# Altium PCB Ultra_CAP.PcbDoc (part 2 of 2)
Units mil, origin at the board's own origin, x right, y up, seen from the top; angles counter-clockwise.
Board outline 3000 x 3000 mil, 6 copper layers (Top Layer, GNDA, PWR, SIG, GNDB, Bottom Layer), stack 60.56 mil thick; 183 components, 111 nets, 622 pads, 357 vias.
Unrouted connection lines stored in the file: 2.
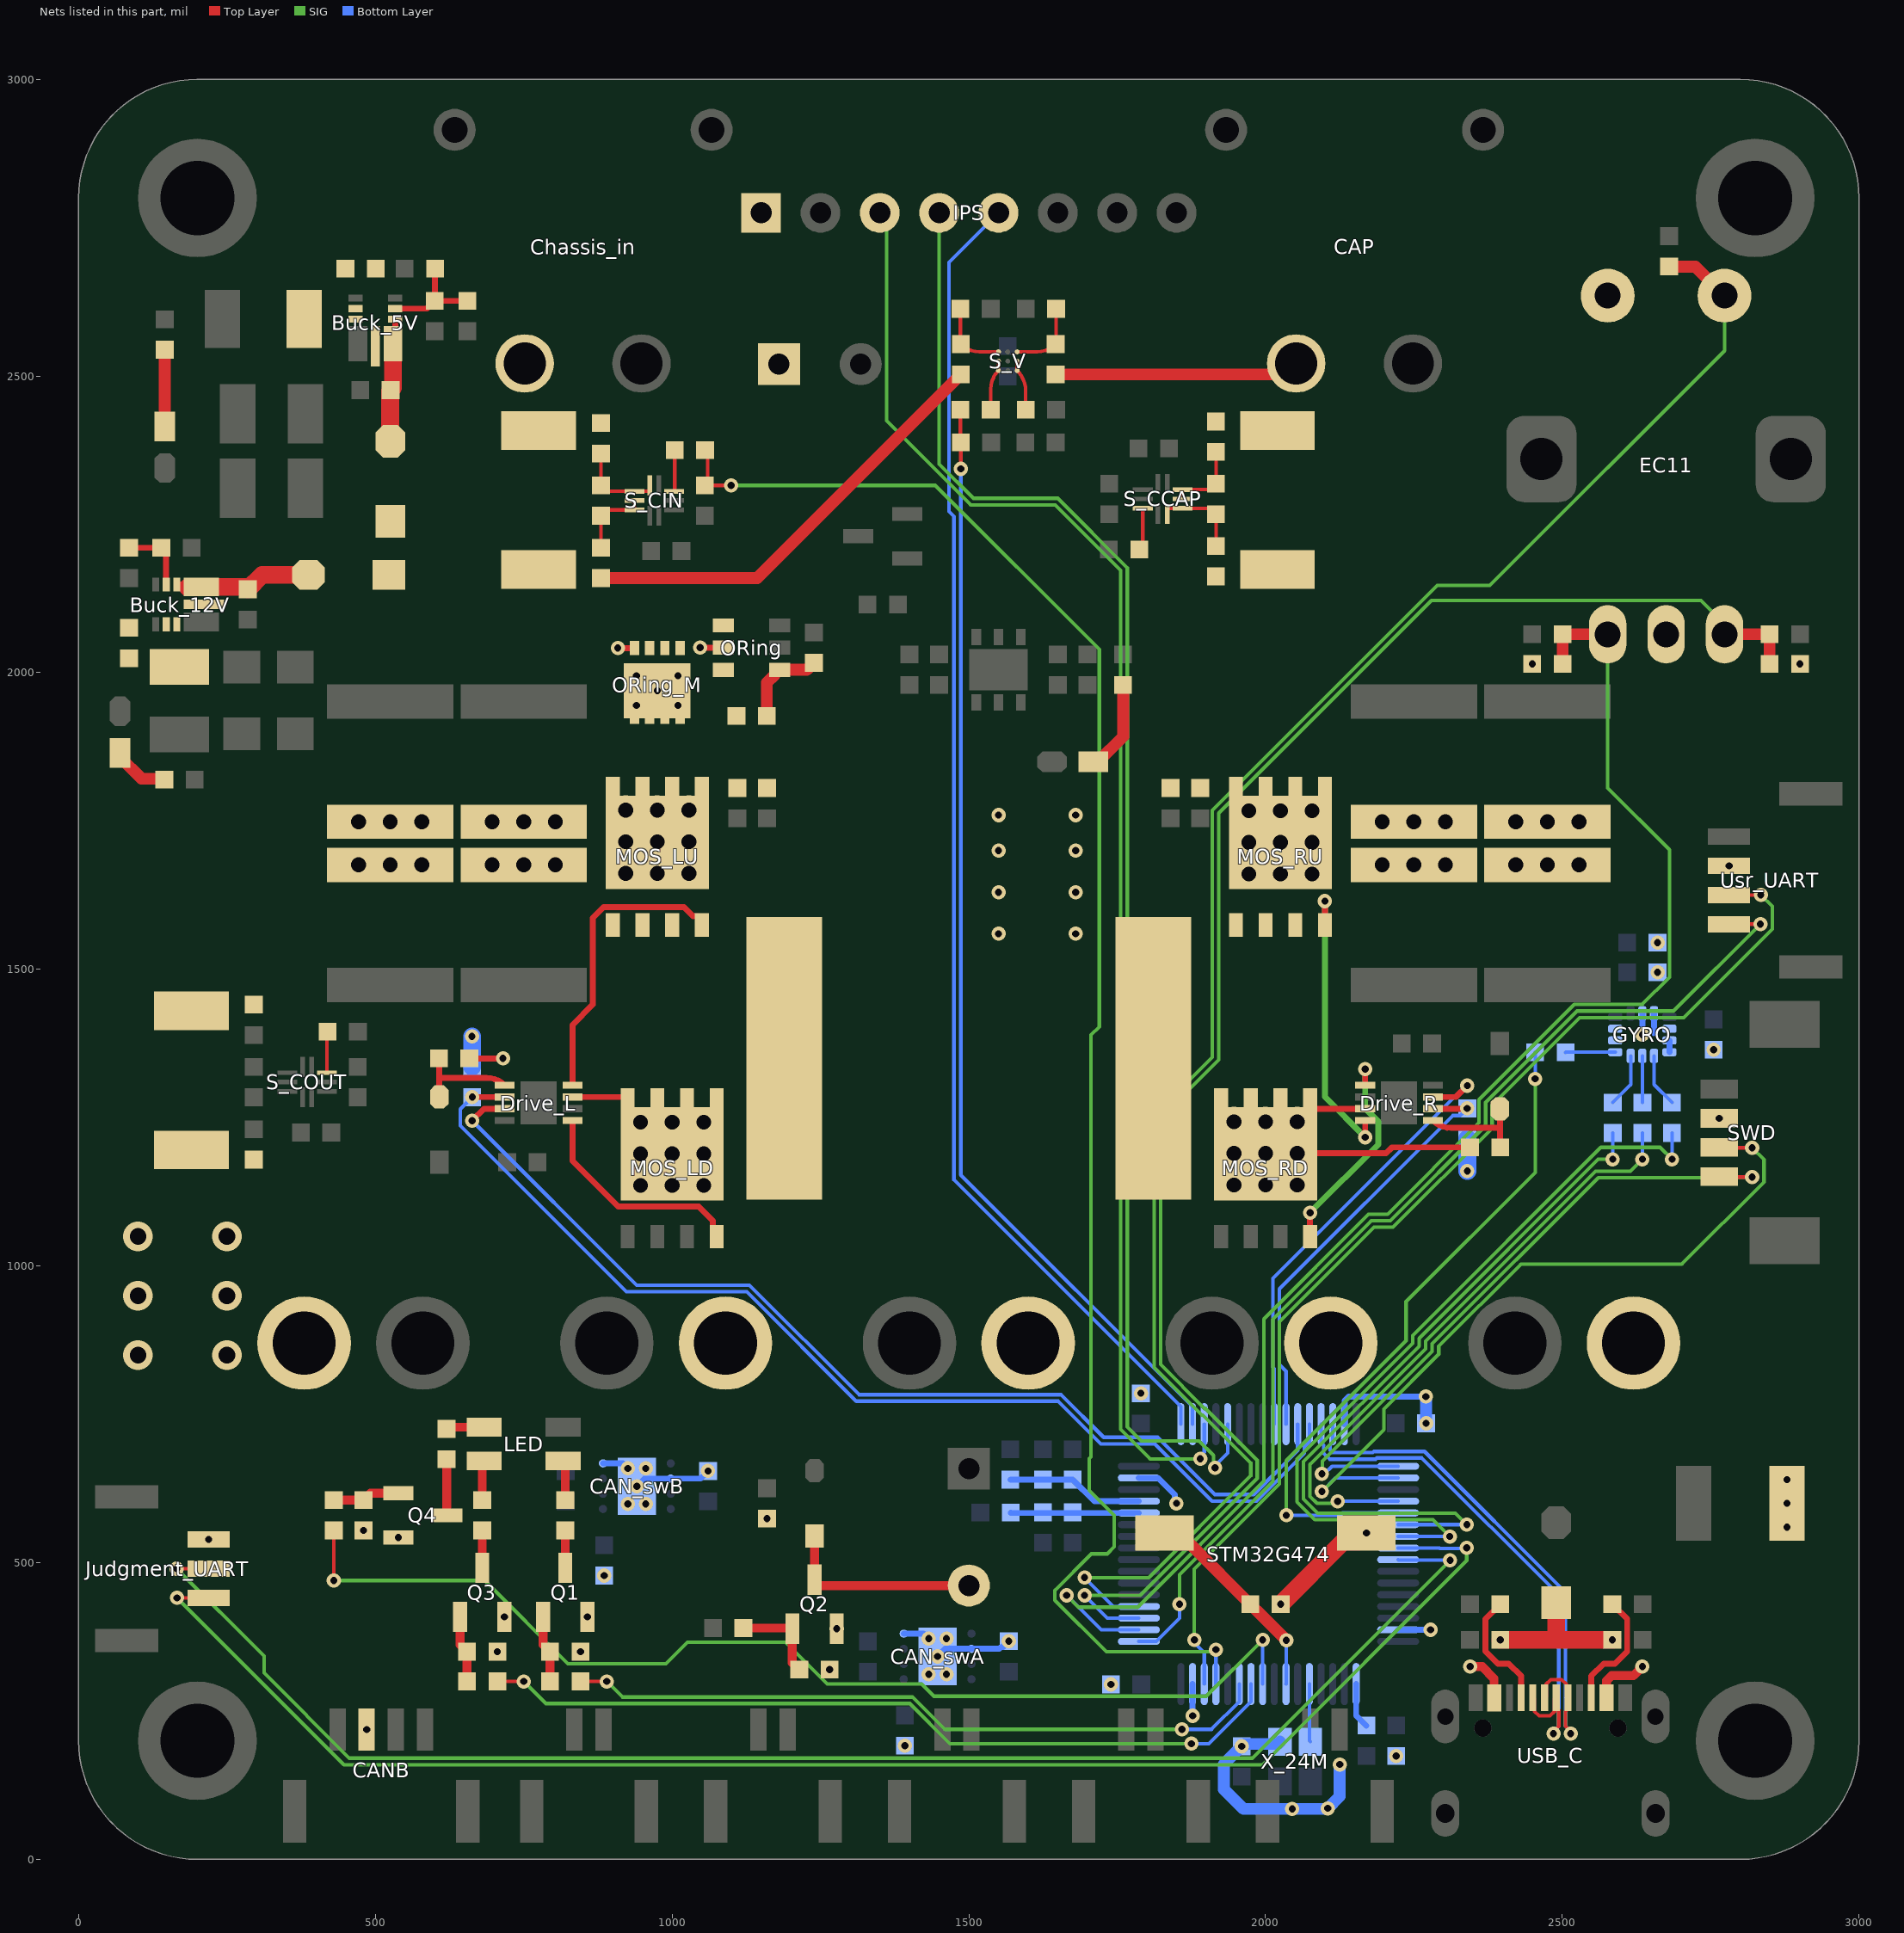
[diagram p6: the nets of this part, all layers, seen from the top]

## Via types
v1: diameter 24, hole 12, Top Layer to Bottom Layer, tented both sides, 234 vias
v2: diameter 50, hole 25, Top Layer to Bottom Layer, tented both sides, 117 vias
v3: diameter 50, hole 28, Top Layer to Bottom Layer, tented both sides, 6 vias

## Nets (pads, with @x,y where several pads share a name; then routed paths per layer and width w, separated by ;. In a path a pad name is that pad's centre, name@x,y a point inside that pad or via, vN(x,y) a via of type N, cw(c..) or ccw(c..) an arc to the next point about the centre after c; other vN are vias at no path point) (continued)
EC11_A: C63.2 EC11.A R44.2 STM32G474.18 | length 2539.1
  Top Layer w20: C63.2@2500.59,2015 R44.2@2500.59,2065 2500.8,2064.78 2576.36,2064.78 EC11.A@2576.57,2064.57
  SIG w6: v1(1665,445) 1685,425 1784.4,425 1997,637.6 1997,910.78 2173.61,1087.4 2205.68,1087.4 2359.85,1241.56 2359.85,1280.43 2520.23,1440.82 2634.7,1440.82 2680.59,1486.71 2680.59,1701.61 2576.57,1805.63 EC11.A@2576.57,2064.57
  Bottom Layer w6: v1(1665,445) 1722.95,387.05 STM32G474.18@1786.5,387.05
EC11_B: C64.2 EC11.B R48.1 STM32G474.19 | length 2871.2
  Top Layer w20: EC11.B@2773.43,2064.57 2773.64,2064.78 2849.19,2064.78 R48.1@2849.41,2065 C64.2@2849.41,2015
  SIG w6: v1(1695,445) 1788.84,445 1986,642.16 1986,672.84 1898.94,759.9 1897.43,759.9 1823.26,834.07 1823.26,1249.79 1921,1347.54 1921,1763.26 2279.53,2121.78 2733.93,2121.78 2773.43,2082.28 EC11.B@2773.43,2064.57
  Bottom Layer w6: v1(1695,445) 1733.43,406.57 1786.34,406.57 STM32G474.19@1786.5,406.73
EC11_K: EC11.1 R45.2 STM32G474.20 | length 3083.6
  Top Layer w20: R45.2@2680,2684.41 2724.45,2684.41 EC11.1@2773.43,2635.43
  SIG w6: v1(1695,475) 1803.28,475 1975,646.72 1975,668.28 1894.38,748.9 1892.88,748.9 1812.26,829.51 1812.26,1254.35 1910,1352.09 1910,1767.81 2289.27,2147.08 2377.98,2147.08 2773.43,2542.52 EC11.1@2773.43,2635.43
  Bottom Layer w6: v1(1695,475) 1743.58,426.42 STM32G474.20@1786.5,426.42
GYRO_CS: R46.1 STM32G474.55 | length 1350.9
  SIG w6: v1(2310.47,544.21) 2282.1,572.58 2083.02,572.58 2053,602.6 2053,674.77 2247.82,869.6 2247.82,882.72 2565.11,1200 2665,1200 v1(2685,1180)
  Bottom Layer w6: STM32G474.55@2223.5,544.53 2223.66,544.37 2310.31,544.37 v1(2310.47,544.21) ; v1(2685,1180) R46.1@2685,1224.41
IN_Cout: C32.1 R15.1 STM32G474.13 | length 2888.9
  Top Layer w6: C32.1@1055,2315.59 C32.1@1060,2315.59 ; R15.1@1060,2374.41 C32.1@1060,2315.59 ; v1(1099.41,2315.59) C32.1@1060,2315.59
  SIG w6: v1(1099.41,2315.59) 1443.28,2315.59 1720,2038.87 1720,1403.44 1706,1389.43 1706,678.34 1703,675.34 1703,622.03 1745,580.03 1745,526.72 1733.28,515 1706.72,515 1645,453.28 1645,436.72 1731.72,350 1907.96,350 1911.55,353.58 v1(1916.42,353.58)
  Bottom Layer w6: STM32G474.13@1916.42,295.5 v1(1916.42,353.58)
IN_Vout: C14.2 R10.1 STM32G474.34 | length 1871.7
  Top Layer w6: C14.2@1485.83,2388.74 R10.1@1485.83,2443.14 ; v1(1486.43,2343.57) C14.2@1486.43,2388.14
  Top Layer w10: C14.2@1485.83,2388.74 C14.2@1486.43,2388.14
  Bottom Layer w6: v1(1486.43,2343.57) 1486.43,1153.65 1877.05,763.03 STM32G474.34@1877.05,733.5
L_OD: Drive_L.3 STM32G474.43 | length 1790.5
  Top Layer w10: v1(663,1245) 683.16,1265.16 Drive_L.3@717.91,1265.16
  Bottom Layer w6: v1(663,1245) 940.26,967.74 1130.49,967.74 1314.97,783.26 1655.35,783.26 1727.2,711.41 1818.03,711.41 1914.44,615 1980.14,615 2054.21,689.07 STM32G474.43@2054.21,733.5
L_PWM: Drive_L.2 R17.1 STM32G474.44 | length 1881.4
  Top Layer w10: v1(663.29,1284.84) Drive_L.2@717.91,1284.84
  Bottom Layer w6: v1(663.29,1284.84) 643,1264.55 643,1236.72 922.98,956.74 1125.93,956.74 1310.41,772.26 1650.79,772.26 1722.64,700.41 1813.48,700.41 1909.88,604 1984.7,604 2065.21,684.51 2065.21,695.31 2073.9,703.99 STM32G474.44@2073.9,733.5
LPUART_RX: STM32G474.17 Usr_UART.1 | length 1826.7
  Top Layer w6: Usr_UART.1@2781.1,1576.18 v1(2833.82,1576.18)
  SIG w6: v1(1855,430) 1855,480.05 2012.26,637.31 2012.26,910.49 2178.17,1076.4 2210.24,1076.4 2370.85,1237.01 2370.85,1275.87 2524.79,1429.82 2687.46,1429.82 v1(2833.82,1576.18)
  Bottom Layer w6: STM32G474.17@1786.5,367.36 1816,367.36 1855,406.36 v1(1855,430)
LPUART_TX: STM32G474.14 Usr_UART.2 | length 1923.2
  Top Layer w6: Usr_UART.2@2781.1,1625.39 v1(2834.61,1625.39)
  SIG w6: v1(1880,370) 1880,489.49 2023.26,632.75 2023.26,905.93 2182.73,1065.4 2214.79,1065.4 2381.85,1232.45 2381.85,1271.32 2529.35,1418.82 2704.74,1418.82 2853.82,1567.9 2853.82,1606.18 v1(2834.61,1625.39)
  Bottom Layer w6: v1(1880,370) 1880,365.13 1896.73,348.4 STM32G474.14@1896.73,295.5
MISO: R50.1 STM32G474.53 | length 1143.8
  SIG w6: v1(2035,580) 2035,672.33 2236.82,874.15 2236.82,939.92 2454.41,1157.5 v1(2454.41,1315.59)
  Bottom Layer w6: v1(2035,580) 2126.12,580 2130.02,583.9 STM32G474.53@2223.5,583.9 ; v1(2454.41,1315.59) R50.1@2454.41,1360
MOSI: R49.1 STM32G474.54 | length 1256
  SIG w6: v1(2339.21,564.21) 2319.84,583.58 2087.58,583.58 2064,607.16 2064,670.22 2258.82,865.04 2258.82,878.16 2560.66,1180 v1(2585,1180)
  Bottom Layer w6: STM32G474.54@2223.5,564.21 v1(2339.21,564.21) ; v1(2585,1180) R49.1@2585,1224.41
NetBuck_5V_1: Buck_5V.1 Buck_5V.2 C4.2 D1.2 | length 209.4
  Top Layer w10: Buck_5V.1@529.53,2554.53 533.46,2558.46 Buck_5V.2@533.46,2595.87
  Top Layer w30: D1.2@525,2390 525,2475.51 C4.2@525.59,2476.1 529.53,2480.04 Buck_5V.1@529.53,2554.53
NetBuck_5V_3: Buck_5V.3 C3.1 R2.1 R4.2 | length 181.6
  Top Layer w10: Buck_5V.3@533.46,2613.58 586.88,2613.58 R2.1@600,2626.7 ; R4.2@600.59,2681.1 600.59,2627.29 R2.1@600,2626.7 ; C3.1@655,2626.7 R2.1@600,2626.7
NetBuck_5V_6: Buck_5V.6 C1.2
NetBuck_5V_7: Buck_5V.7 Buck_5V.9 C1.1 L1.1
NetBuck_12V_1: Buck_12V.1 Buck_12V.2 C12.2 D2.2 | length 238.5
  Top Layer w10: Buck_12V.2@165.24,2148.46 182.05,2148.46 182.87,2147.64 Buck_12V.1@182.87,2142.87
  Top Layer w30: Buck_12V.1@183.78,2143.78 205.83,2143.78 Buck_12V.1@206.57,2144.53 281.06,2144.53 C12.2@285,2140.59 309.42,2165 D2.2@387.5,2165
NetBuck_12V_3: Buck_12V.3 R5.1 R8.2 | length 119.9
  Top Layer w10: R8.2@85,2210.59 R5.1@139.41,2210.59 147.52,2202.47 Buck_12V.3@147.52,2148.46
NetBuck_12V_6: Buck_12V.6 C9.2
NetBuck_12V_7: Buck_12V.7 Buck_12V.9 C9.1 L2.1
NetC6_2: C6.2 ORing.1 R1.1 | length 152.7
  Top Layer w20: R1.1@1159.52,1927.22 1159.52,1983.16 1173.46,1997.09 1173.46,2003 1175.27,2004.81 ORing.1@1181.17,2004.81 1227.11,2004.81 C6.2@1238.93,2016.63
NetC34_1: C34.1 D4.2 Drive_L.1 | length 178.6
  Top Layer w10: C34.1@607.23,1349.96 607.82,1349.36 607.82,1317.22 ; D4.2@607.82,1285.08 607.82,1317.22 ; Drive_L.1@717.91,1304.53 ccw(c687.27,1273.88) 687.27,1317.22 607.82,1317.22
NetC34_2: C34.2 Drive_L.7 L3.1 MOS_LD.5 MOS_LD.6 MOS_LD.7 MOS_LD.8 MOS_LD.9 MOS_LU.1 MOS_LU.2 MOS_LU.3 | length 151.4
  Top Layer w10: C34.2@658.41,1349.96 v1(714.96,1349.96) ; Drive_L.7@832.09,1284.84 920.31,1284.84 MOS_LD.8@925,1280.16
  other v2: 946.72,1135.73 1000,1135.73 1053.28,1135.73 946.72,1189.01 1000,1189.01 1053.28,1189.01 946.72,1242.3 1000,1242.3 1053.28,1242.3
NetC35_1: C35.1 D3.2 Drive_R.1 | length 181.4
  Top Layer w10: Drive_R.1@2282.09,1245.47 ccw(c2312.83,1276.21) 2312.83,1232.74 2395,1232.74 ; D3.2@2395,1264.88 2395,1232.74 ; C35.1@2395.59,1200 2395,1200.6 2395,1232.74
NetC35_2: C35.2 Drive_R.7 L3.2 MOS_RD.5 MOS_RD.6 MOS_RD.7 MOS_RD.8 MOS_RD.9 MOS_RU.1 MOS_RU.2 MOS_RU.3 | length 419
  Top Layer w10: v2(2053.28,1190) 2203.11,1190 2213.11,1200 C35.2@2344.41,1200 ; v2(2053.28,1243.28) 2062.34,1243.28 2084.21,1265.16 Drive_R.7@2167.91,1265.16
  other v2: 1946.72,1136.72 2000,1136.72 2053.28,1136.72 1946.72,1190 2000,1190 1946.72,1243.28 2000,1243.28
NetC54_2: C54.2 C55.2 L4.2 STM32G474.29 | length 231.6
  Bottom Layer w10: L4.2@1570,640 C55.2@1625,640 C54.2@1675,640 1711.42,603.58 STM32G474.29@1786.5,603.58
NetC57_2: C57.2 STM32G474.1 | length 77.1
  Bottom Layer w10: STM32G474.1@2152.64,295.5 2152.64,242.95 C57.2@2170,225.59
NetC58_2: C58.2 C59.2 L5.1 STM32G474.28 | length 216.1
  Bottom Layer w10: L5.1@1570.6,584.41 1571.11,583.9 STM32G474.28@1786.5,583.9
NetC61_2: C61.2 C62.2 D6.1 USB_C.A4 USB_C.A9 USB_C.B4 USB_C.B9 | length 430.4
  Top Layer w15: v1(2345,325) 2365,325 2385,305 USB_C.A4@2385,260 ; USB_C.B4@2570.18,287.57 2574.49,291.88 2574.49,301.21 2583.28,310 2620,310 v1(2635,325)
  Top Layer w30: v1(2395.59,370) 2490,370 ; D6.1@2490,432.5 2490,370 ; v1(2584.41,370) 2490,370
NetChassis_in_2: Chassis_in.2 E1.1 R20.2 R23.2
NetChassis_outA_1: Chassis_outA.1 Chassis_outB.1 Chassis_outC.1 Chassis_outD.1 Chassis_outE.1 R26.2 R28.2
  other v3: 100,850 250,850 100,950 250,950 100,1050 250,1050
NetD5_1: D5.1 LS.2 Q2.3 | length 340.8
  Top Layer w15: D5.1@1240,544.88 Q2.3@1240,471.34 1240,465.89 1244.31,461.57 LS.2@1500,461.57
NetDrive_L_5: Drive_L.5 MOS_LD.4 | length 375.9
  Top Layer w10: Drive_L.5@832.09,1245.47 832.09,1177.24 909.05,1100.28 1045,1100.28 1068.86,1076.41 1068.86,1055.98 MOS_LD.4@1075,1049.84
NetDrive_L_8: Drive_L.8 MOS_LU.4 | length 504.8
  Top Layer w10: Drive_L.8@832.09,1304.53 832.09,1406.33 866.5,1440.74 866.5,1586.98 884.52,1605 1019.85,1605 1035.32,1589.53 1043.19,1589.53 1050,1582.72 MOS_LU.4@1050,1574.84
NetDrive_R_5: Drive_R.5 MOS_RD.4 | length 366.5
  Top Layer w10: MOS_RD.4@2075,1049.84 v1(2075,1090) ; Drive_R.5@2167.91,1304.53 v1(2167.91,1332.09)
  SIG w10: v1(2075,1090) 2189.91,1204.91 2189.91,1243.97 2167.91,1265.97 v1(2167.91,1332.09)
NetDrive_R_8: Drive_R.8 MOS_RU.4 | length 494.6
  Top Layer w10: MOS_RU.4@2100,1574.84 v1(2100,1615) ; v1(2167.91,1217.09) Drive_R.8@2167.91,1245.47
  SIG w10: v1(2100,1615) 2100,1285 v1(2167.91,1217.09)
NetGYRO_1: GYRO.1 R50.2 | length 83.9
  Bottom Layer w6: R50.2@2505.59,1360 2506.06,1360.47 GYRO.1@2589.33,1360.47
NetGYRO_12: GYRO.12 R46.2 | length 91.1
  Bottom Layer w6: GYRO.12@2654.68,1354.17 2654.68,1305.9 R46.2@2685,1275.59
NetGYRO_13: GYRO.13 R47.2 | length 78.6
  Bottom Layer w6: R47.2@2635,1275.59 GYRO.13@2635,1354.17
NetGYRO_14: GYRO.14 R49.2 | length 91.1
  Bottom Layer w6: R49.2@2585,1275.59 2615.32,1305.91 GYRO.14@2615.32,1354.17
NetLED_1: LED.1 R32.2 | length 64.7
  Top Layer w15: R32.2@620,725.59 622.96,728.54 LED.1@683.5,728.54
NetLED_2: LED.2 R31.2 | length 67.3
  Top Layer w15: R31.2@680,605.59 680,667.96 LED.2@683.5,671.46
NetLED_3: LED.3 R30.2 | length 67.3
  Top Layer w15: LED.3@816.5,671.46 820,667.95 R30.2@820,605.59
NetLED_3V3_1: LED_3V3.1 R7.1 | length 154.8
  Top Layer w20: LED_3V3.1@1710,1849.74 1717.5,1849.74 1760,1892.25 R7.1@1760,1979.41
NetLED_5V_1: LED_5V.1 R3.1 | length 129.5
  Top Layer w20: R3.1@145,2544.41 145,2415.25 LED_5V.1@145.26,2415
NetLED_12V_1: LED_12V.1 R6.1 | length 97.7
  Top Layer w20: LED_12V.1@69.74,1865 69.74,1857.5 105.87,1821.38 143.02,1821.38 R6.1@144.41,1820
NetORing_5: ORing.5 ORing_M.4 | length 67.6
  Top Layer w10: v1(908.46,2041.54) ORing_M.4@936.61,2041.54 ; v1(1047.21,2042.21) ORing.5@1086.68,2042.21
NetQ1_1: Q1.1 R33.1 R35.1 | length 113.6
  Top Layer w15: Q1.1@782.6,408.66 782.6,361.8 R35.1@794.41,350 R33.1@794.41,300
NetQ1_3: Q1.3 R30.1 | length 63.1
  Top Layer w15: Q1.3@820,491.34 R30.1@820,554.41
NetQ2_1: Q2.1 R36.1 R37.1 | length 156.7
  Top Layer w15: R36.1@1120,390 1201.26,390 Q2.1@1202.6,388.66 1202.6,331.8 R37.1@1214.41,320
NetQ3_1: Q3.1 R38.1 R39.1 | length 113.6
  Top Layer w15: Q3.1@642.6,408.66 642.6,361.8 R39.1@654.41,350 R38.1@654.41,300
NetQ3_3: Q3.3 R31.1 | length 63.1
  Top Layer w15: Q3.3@680,491.34 R31.1@680,554.41
NetQ4_1: Q4.1 R40.1 R41.1 | length 113.6
  Top Layer w15: R40.1@430,605.59 R41.1@480,605.59 491.8,617.4 Q4.1@538.66,617.4
NetQ4_3: Q4.3 R32.1 | length 95
  Top Layer w15: R32.1@620,674.41 620,581.34 Q4.3@621.34,580
NetR9_2: R9.2 S_V.A1 S_V.B1 | length 85.7
  Top Layer w6: S_V.B1@1581.5,2525 S_V.A1@1581.5,2509.25 cw(c1546.87,2474.63) 1595.84,2474.63 R9.2@1595.84,2443.15
NetR10_2: R10.2 S_V.A3 S_V.B3 | length 85.3
  Top Layer w6: R10.2@1537.01,2443.14 1537.01,2477.9 cw(c1581.35,2477.9) S_V.A3@1550,2509.25 S_V.B3@1550,2525
NetR11_2: R11.2 R13.2 S_V.C1 | length 128.1
  Top Layer w6: S_V.C1@1581.5,2540.75 1615.09,2540.75 ccw(c1615.09,2585.07) R11.2@1646.43,2553.73 1647.01,2554.31 R13.2@1647.01,2613.14
NetR12_2: R12.2 R14.2 S_V.C3 | length 126.7
  Top Layer w6: R14.2@1485.84,2613.15 1485.84,2554.32 R12.2@1486.43,2553.73 ccw(c1517.77,2585.07) 1517.77,2540.75 S_V.C3@1550,2540.75
NetR15_2: R15.2 S_CIN.10 | length 69.7
  Top Layer w6: S_CIN.10@1003.46,2305.75 1004.41,2306.68 R15.2@1004.41,2375
NetR16_2: R16.2 S_CCAP.10 | length 71.7
  Top Layer w6: R16.2@1787.16,2207.82 1793.11,2213.76 S_CCAP.10@1793.11,2277.07
NetR19_2: R19.2 S_COUT.10 | length 69.6
  Top Layer w6: S_COUT.10@418.46,1325.75 418.46,1394.06 R19.2@419.41,1395
NetR42_1: R42.1 USB_C.B5 | length 204
  Top Layer w10: USB_C.B5@2548.9,272.43 2548.9,309.16 2569.75,330.01 2588.56,330.01 2609.41,350.86 2609.41,404.99 R42.1@2584.41,430
NetR43_2: R43.2 USB_C.A5 | length 203.7
  Top Layer w10: R43.2@2395.59,430 2370.59,405 2370.59,350.85 2391.41,330.03 2409.97,330.03 2430.79,309.21 USB_C.A5@2430.79,272.45
NRST: C45.2 RST.1 STM32G474.7 | length 353.9
  Top Layer w20: RST.1@1830,550 1849.53,530.47 1873.94,530.47 C45.2@1974.41,430 1993.55,410.86 2005.27,399.11 ; 2005.3,399.11 v1(2035,369.42)
  Bottom Layer w6: STM32G474.7@2034.53,295.5 2035,295.97 v1(2035,369.42)
OSC_24M: STM32G474.5 X_24M.3 | length 97.7
  Bottom Layer w6: STM32G474.5@2073.9,295.5 2073.9,200.16 X_24M.3@2075.59,198.46
R_OD: Drive_R.3 STM32G474.41 | length 774.9
  Top Layer w10: Drive_R.3@2282.09,1284.84 2320.84,1284.84 v1(2340,1304)
  Bottom Layer w6: STM32G474.41@2014.84,733.5 2014.84,826.93 2012.26,829.51 2012.26,979.16 2337.1,1304 v1(2340,1304)
R_PWM: Drive_R.2 R18.1 STM32G474.42 | length 733.2
  Top Layer w10: Drive_R.2@2282.09,1265.16 v1@2339.84,1265.16
  Bottom Layer w6: STM32G474.42@2034.53,733.5 2034.53,822.8 2023.26,834.07 2023.26,961.54 2315.31,1253.59 2328,1253.59 2339.85,1265.44 v1(2339.85,1265.75)
REST: IPS.5 STM32G474.33 | length 2238
  Bottom Layer w6: IPS.5@1550,2775 1466.43,2691.43 1466.43,2271.86 1475,2263.28 1475,1145.39 1857.36,763.03 STM32G474.33@1857.36,733.5
RGB_B: R33.2 STM32G474.11 | length 1192.5
  Top Layer w6: R33.2@845.59,300 v1(890,300)
  SIG w6: v1(890,300) 916.33,273.66 1405.21,273.66 1459.6,219.27 v1(1859.09,219.27)
  Bottom Layer w6: v1(1859.09,219.27) 1909.07,219.27 1955.79,265.99 STM32G474.11@1955.79,295.5
RGB_G: R38.2 STM32G474.10 | length 1372.3
  Top Layer w6: R38.2@705.59,300 v1(750,300)
  SIG w6: v1(750,300) 787.33,262.66 1400.65,262.66 1468.29,195.02 v1(1875,195.02)
  Bottom Layer w6: v1(1875,195.02) 1904.51,195.02 1975.47,265.99 STM32G474.10@1975.47,295.5
RGB_R: R40.2 STM32G474.9 | length 1874.1
  Top Layer w6: v1(430,470) R40.2@430,554.41
  SIG w6: v1(430,470) 684.35,470 824.35,330 989.64,330 1025.83,366.18 1191.12,366.18 1261.64,295.66 1420.5,295.66 1441.16,275 1900.32,275 v1(1995.16,369.84)
  Bottom Layer w6: STM32G474.9@1995.16,295.5 1995.16,336.56 1995,336.72 1995,369.68 v1(1995.16,369.84)
SCL: IPS.3 STM32G474.35 | length 2517.7
  SIG w6: IPS.3@1350,2775 1361.23,2763.77 1361.23,2424.93 1503.27,2282.89 1645.39,2282.89 1755.98,2172.3 1755.98,724.58 1805.56,675 v1(1890,675)
  Bottom Layer w6: v1(1890,675) 1890,679.87 1896.73,686.6 STM32G474.35@1896.73,733.5
SCLK: R47.1 STM32G474.52 | length 1033.9
  SIG w6: v1(2121.42,603.58) 2117.97,600.14 2103.42,600.14 2103.28,600 2086.72,600 2075,611.72 2075,665.66 2269.82,860.48 2269.82,873.6 2556.22,1160 2615,1160 v1(2635,1180)
  Bottom Layer w6: v1(2121.42,603.58) STM32G474.52@2223.5,603.58 ; v1(2635,1180) R47.1@2635,1224.41
SDA: IPS.4 STM32G474.37 | length 2530
  SIG w6: IPS.4@1450,2775 1450,2351.72 1507.82,2293.89 1649.95,2293.89 1766.98,2176.86 1766.98,729.14 1790.69,705.43 1887.85,705.43 1912.28,681 1912.28,662.72 v1(1915,660)
  Bottom Layer w6: v1(1915,660) 1915,663.84 1936.1,684.94 STM32G474.37@1936.1,733.5
SGND: B.1 C45.1 C46.1 C47.1 C48.1 C49.1 C50.1 C51.1 C52.2 C53.1 C56.1 C60.1 C63.1 C64.1 C65.1 C66.1 C67.1 CAN_swA.2 CAN_swA.8 CAN_swA.9 CAN_swB.2 CAN_swB.8 CAN_swB.9 CANB.2 EC11.2 EC11.C GYRO.2 GYRO.3 GYRO.6 GYRO.7 GYRO.9 GYRO.10 GYRO.11 IPS.1 Judgment_UART.1 Q1.2 Q2.2 Q3.2 Q4.2 R17.2 R18.2 R35.2 R37.2 R39.2 R41.2 RST.2 STM32G474.15 STM32G474.31 STM32G474.47 STM32G474.63 SWD.3 Usr_UART.3 X_24M.2 | length 1585.8
  Top Layer w30: v1(2025.59,430) 2131.06,535.47 2155.47,535.47 v1(2170,550)
  Bottom Layer w10: CAN_swB.8@883.5,667.37 917.2,667.37 v1(925.59,658.99) ; v1(940.59,628.99) 953.38,641.78 CAN_swB.2@997.68,641.78 1047.79,641.78 v1(1060.59,654.58) ; CAN_swA.8@1390.29,380.46 1423.99,380.46 v1(1432.37,372.08) ; v1(1447.37,342.08) 1460.17,354.87 CAN_swA.2@1504.46,354.87 1551.52,354.87 1554.32,357.67 1557.38,357.67 v1(1567.38,367.67) ; STM32G474.31@1786.5,642.95 1786.84,642.61 1819.18,642.61 1822.61,639.17 1847.32,614.46 1847.32,602.68 v1(1850,600) ; v1(1877.05,242.05) STM32G474.15@1877.05,295.5 ; STM32G474.47@2132.95,733.5 2133.3,733.85 2133.3,773.3 2140,780 v1(2270,780) ; STM32G474.63@2223.5,387.05 v1(2277.95,387.05) ; v1(2635,1390) GYRO.6@2635,1425.83 ; 2654.68,1392.68 GYRO.7@2654.68,1425.83 ; GYRO.11@2680.67,1360.47 GYRO.10@2680.67,1380.16
  Bottom Layer w20: X_24M.2@2024.41,198.46 2020.47,194.53 1963.94,194.53 1940.86,171.45 1930,160.63 1930,118.2 1963.2,85 2102.84,85 2103.92,86.08 v1(2105,86.08) 2125,106.08 v1(2125,160) ; v1(2270,780) 2270.59,779.41 v1(2270.59,735)
  Bottom Layer w30: R17.2@662.82,1335.55 v1(662.82,1387.18) ; v1(2340,1160) R18.2@2340,1214.41
  other v1: 2045,85 2220,174.41 1392.37,191.48 1960,190.59 485.39,218.9 1739.41,295 1432.37,312.08 1462.37,312.08 1265.59,320 705.59,350 845.59,350 1462.37,372.08 1277.4,388.66 717.4,408.66 857.4,408.66 885.59,478.39 218.9,539.21 538.66,542.6 480,554.41 2878.74,560 1160,574.41 925.59,598.99 955.59,598.99 2878.74,600 2878.74,640 955.59,658.99 1790,785.59 2764.35,1249.06 2755,1364.41 2660.59,1495 2660.59,1545 1550,1560 1680,1560 1550,1630 1680,1630 2781.1,1674.61 1550,1700 1680,1700 1550,1760 1680,1760 2449.41,2015 2900.59,2015
SWCLK: STM32G474.50 SWD.2 | length 1248.7
  Top Layer w6: SWD.2@2764.35,1199.85 2764.98,1199.21 v1(2820,1199.21)
  SIG w6: v1(2095,620) 2199.41,724.41 2199.41,758.96 2291.82,851.37 2291.82,864.49 2430.43,1003.1 2701.39,1003.1 2840,1141.72 2840,1179.21 v1(2820,1199.21)
  Bottom Layer w6: v1(2095,620) 2117.95,642.95 STM32G474.50@2223.5,642.95
SWDIO: STM32G474.49 SWD.1 | length 1141.2
  Top Layer w6: SWD.1@2764.35,1150.64 2764.98,1150 v1(2820,1150)
  SIG w6: v1(2095,650) 2095.89,650.89 2095.89,671 2280.82,855.93 2280.82,869.05 2560.77,1149 2819,1149 v1(2820,1150)
  Bottom Layer w6: v1(2095,650) 2099.42,650 2112.06,662.64 STM32G474.49@2223.5,662.64
USART2_RX: Judgment_UART.2 STM32G474.57 | length 2574.8
  Top Layer w6: v1(165.01,489.99) Judgment_UART.2@218.9,489.99
  SIG w6: v1(165.01,489.99) 312.32,342.68 312.32,314.47 456.2,170.59 1977.59,170.59 v1(2311,504)
  Bottom Layer w6: STM32G474.57@2223.5,505.16 2224.08,504.58 2310.42,504.58 v1(2311,504)
USART2_TX: Judgment_UART.3 STM32G474.56 | length 2622.7
  Top Layer w6: v1(165.79,440.79) Judgment_UART.3@218.9,440.79
  SIG w6: v1(165.79,440.79) 446.98,159.59 1994.88,159.59 2339,503.72 v1(2339,525)
  Bottom Layer w6: STM32G474.56@2223.5,524.84 2292.89,524.84 2293.52,524.21 2338.21,524.21 v1(2339,525)
USB_N: STM32G474.45 USB_C.A7 USB_C.B7 | length 939.3
  Top Layer w6: USB_C.B7@2450.47,272.36 2453.37,269.46 2453.37,249.36 2460.94,241.8 2479.38,241.8 2486.93,249.35 2486.93,255.64 2486.93,269.46 USB_C.A7@2489.84,272.37 2489.84,269.46 2489.84,255.64 2494.21,251.27 2494.21,237.28 ; v1(2485.19,212) 2485.19,215.51 2494.19,224.51 2494.19,237.25
  Bottom Layer w6: STM32G474.45@2093.58,733.5 2093.58,702.4 2097.93,698.06 2097.93,684.51 2107.88,674.56 2185.43,674.56 2187.41,676.54 2263.46,676.54 2494.19,445.81 2494.19,224.51 2485.19,215.51 v1(2485.19,212)
USB_P: STM32G474.46 USB_C.A6 USB_C.B6 | length 939.3
  Top Layer w6: USB_C.A6@2470.16,272.43 2473.06,275.34 2473.06,295.46 2480.62,303.01 2499.06,303.01 2506.62,295.45 2506.62,275.34 USB_C.B6@2509.53,272.43 2506.62,269.53 2506.62,250.69 2505.21,249.28 2505.21,232.73 ; 2505.19,232.7 2505.19,224.51 2514.19,215.51 v1(2514.19,212)
  Bottom Layer w6: STM32G474.46@2113.27,733.5 2113.27,702.4 2108.93,698.06 2108.93,689.07 2112.44,685.56 2180.87,685.56 2182.86,687.54 2268.01,687.54 2505.19,450.37 2505.19,224.51 2514.19,215.51 v1(2514.19,212)
VCAP: CAP.2 R11.1 R21.2 R25.2 | length 412.9
  Top Layer w20: R11.1@1646.43,2502.55 2011.72,2502.55 2030.35,2521.18 CAP.2@2051.57,2521.18
VCAP_C+: C43.2 R24.1 S_CCAP.2 S_CCAP.3 | length 149
  Top Layer w6: S_CCAP.2@1834.45,2267.23 1834.45,2275.63 1835.89,2277.07 S_CCAP.3@1860.04,2277.07 1906.73,2277.07 C43.2@1916.57,2267.23 R24.1@1916.57,2213.41
VCAP_C-: C43.1 R25.1 S_CCAP.4 S_CCAP.5 | length 130.2
  Top Layer w6: S_CCAP.4@1860.04,2292.82 S_CCAP.5@1860.04,2308.57 1906.73,2308.57 C43.1@1916.57,2318.41 ; C43.1@1916.57,2318.41 R25.1@1916.58,2372.22
VCAP_Cin: C26.2 C27.2 C28.2 C29.2 C30.2 C31.2 MOS_RU.5 MOS_RU.6 MOS_RU.7 MOS_RU.8 MOS_RU.9 R21.1 R24.2
  other v2: 1971.72,1660.73 2025,1660.73 2078.28,1660.73 2196.72,1676.18 2250,1676.18 2303.28,1676.18 2421.72,1676.18 2475,1676.18 2528.28,1676.18 1971.72,1714.01 2025,1714.01 2078.28,1714.01 2196.72,1748.82 2250,1748.82 2303.28,1748.82 2421.72,1748.82 2475,1748.82 2528.28,1748.82 1971.72,1767.3 2025,1767.3 2078.28,1767.3
VIN: D1.1 D2.1 ORing.4 ORing_M.1 ORing_M.2 ORing_M.3 R12.1 R20.1 R22.2 | length 748.6
  Top Layer w20: R22.2@880,2159.41 1143.29,2159.41 R12.1@1486.43,2502.55
VIN_C+: C42.1 R23.1 S_CIN.2 S_CIN.3 | length 149.3
  Top Layer w6: R23.1@880,2369.41 C42.1@880,2315.59 889.84,2305.75 S_CIN.3@936.54,2305.75 961.19,2305.75 962.13,2306.68 S_CIN.2@962.13,2315.59
VIN_C-: C42.2 R22.1 S_CIN.4 S_CIN.5 | length 130.2
  Top Layer w6: R22.1@880,2210.59 C42.2@880,2264.41 889.84,2274.25 S_CIN.5@936.54,2274.25 S_CIN.4@936.54,2290
VIN_ORing: C20.2 C21.2 C22.2 C23.2 C24.2 C25.2 MOS_LU.5 MOS_LU.6 MOS_LU.7 MOS_LU.8 MOS_LU.9 ORing.6 ORing_M.5 ORing_M.6 ORing_M.7 ORing_M.8 ORing_M.9 R1.2 R26.1 R27.1
  other v1: 940,1945 1010,1945 975,1969.68 940,1995 1010,1995
  other v2: 921.72,1661.72 975,1661.72 1028.28,1661.72 471.72,1676.18 525,1676.18 578.28,1676.18 696.72,1676.18 750,1676.18 803.28,1676.18 921.72,1715 975,1715 1028.28,1715 471.72,1748.82 525,1748.82 578.28,1748.82 696.72,1748.82 750,1748.82 803.28,1748.82 921.72,1768.28 975,1768.28 1028.28,1768.28
pads on no net: 3V3_Power.3 3V3_Power.5 Buck_5V.5 Buck_12V.5 EC11.0 GYRO.4 M3A.1 M3B.1 M3C.1 M3D.1 S_CCAP.1 S_CCAP.7 S_CIN.1 S_CIN.7 S_COUT.1 S_COUT.7 STM32G474.2 STM32G474.3 STM32G474.4 STM32G474.6 STM32G474.12 STM32G474.22 STM32G474.23 STM32G474.25 STM32G474.26 STM32G474.30 STM32G474.51 STM32G474.60 USB_C. USB_C.A8 USB_C.B8

## Polygon pours and split planes (outlines as drawn)
AGND on Top Layer "NONET_L-01_P-001" (solid, remove dead copper, pour order 62): -100,3100 3100,3100 3100,-100 -100,-100
AGND on Top Layer "NONET_L-01_P-001" (solid, remove dead copper, pour order 63): -100,3100 3100,3100 3100,-100 -100,-100
SGND on Top Layer "NONET_L-01_P-001" (solid, remove dead copper, pour order 61): 1250,415 1250,305 1290,305 1290,415
SGND on Top Layer "NONET_L-01_P-001" (solid, remove dead copper, pour order 60): 565,570 465,570 465,530 565,530
SGND on Top Layer "NONET_L-01_P-001" (solid, remove dead copper, pour order 59): 830,435 830,335 870,335 870,435
SGND on Top Layer "NONET_L-01_P-001" (solid, remove dead copper, pour order 58): 690,435 690,335 730,335 730,435
AGND on Top Layer "NONET_L-01_P-001" (solid, remove dead copper, pour order 57): 1160,2095 1160,2030 1210,2030 1210,2050 1255,2050 1255,2095
AGND on Top Layer "NONET_L-01_P-001" (solid, remove dead copper, pour order 56): 987,2294 987,2189 1070,2189 1070,2294
AGND on Top Layer "NONET_L-01_P-001" (solid, remove dead copper, pour order 55): 1810,2288.82 1810,2393.82 1721.57,2393.82 1721.57,2288.82
AGND on Top Layer "NONET_L-01_P-001" (solid, remove dead copper, pour order 53): 402,1314 402,1209 485,1209 485,1314
12V on Top Layer "NONET_L-01_P-001" (solid, remove dead copper, pour order 52): 2265,1298 2265,1395 2411,1395 2411,1355 2299,1355 2299,1298
12V on Top Layer "NONET_L-01_P-001" (solid, remove dead copper, pour order 51): 701,1252 737,1252 737,1155 592,1155 592,1195 593,1194 701,1194
NetC61_2 on Top Layer "NONET_L-01_P-001" (solid, remove dead copper, pour order 50): 2376.02,294.84 2396.02,294.84 2396.02,249.84 2376.02,249.84
NetC61_2 on Top Layer "NONET_L-01_P-001" (solid, remove dead copper, pour order 49): 2565,295 2585,295 2585,250 2565,250
AGND on Top Layer "NONET_L-01_P-001" (solid, remove dead copper, pour order 48): 2620,249.81 2595,249.81 2595,294.81 2620,294.81
AGND on Top Layer "NONET_L-01_P-001" (solid, remove dead copper, pour order 47): 2340,295 2365,295 2365,250 2340,250
3V3_R on Top Layer "NONET_L-01_P-001" (solid, remove dead copper, pour order 45): 1365,2280 1365,2230 1480,2230 1480,2280
3V3 on Top Layer "NONET_L-01_P-001" (solid, remove dead copper, pour order 44): 1575,2075 1575,2045 1605,2045 1635,2015 1775,2015 1775,2075
5V on Top Layer "NONET_L-01_P-001" (solid, remove dead copper, pour order 43): 1365,2205 1365,2015 1480,2015 1480,2205
5V on Top Layer "NONET_L-01_P-001" (solid, remove dead copper, pour order 40): 130,2610 210,2610 210,2645 300,2645 300,2260 180,2260 180,2580 130,2580
5V on Top Layer "NONET_L-01_P-001" (solid, remove dead copper, pour order 39): 585,2595 670,2595 670,2560 585,2560
AGND on Top Layer "NONET_L-01_P-001" (solid, remove dead copper, pour order 38): 454,2584 454,2491 352,2491 352,2261 486,2261 486,2584
NetBuck_5V_7 on Top Layer "NONET_L-01_P-001" (solid, remove dead copper, pour order 37): 471,2601.1 450.9,2601.1 449,2603 449,2642 468,2661 468,2696 464,2700 436.5,2700 401.5,2664 354,2664 347,2657 347,2550 354,2543 442,2543 449,2550 449,2588 451,2590 470.9,2590 471,2590.1
12V on Top Layer "NONET_L-01_P-001" (solid, remove dead copper, pour order 34): 120,1930 120,1865 180,1865 180,1805 400,1805 400,1930
NetBuck_5V_7 on Top Layer "NONET_L-01_P-001" (solid, remove dead copper, pour order 33): 508,2516.1 492,2516.1 492,2588.1 490,2590.1 471,2590.1 471,2601.1 504,2601.1 508,2597.1
NetBuck_5V_6 on Top Layer "NONET_L-01_P-001" (solid, remove dead copper, pour order 32): 485,2696 485,2619.1 455,2619.1 455,2608.1 516,2608.1 516,2696
AGND on Top Layer "NONET_L-01_P-001" (solid, remove dead copper, pour order 30): 522,2626 565,2626 565,2696 522,2696
NetBuck_5V_3 on Top Layer "NONET_L-01_P-001" (solid, remove dead copper, pour order 29): 585,2696 585,2608 670,2608 670,2642 639,2642 616,2665 616,2696
AGND on Top Layer "NONET_L-01_P-001" (solid, remove dead copper, pour order 28): 136,2137 136,2175 70,2175 70,2137
NetBuck_12V_7 on Top Layer "NONET_L-01_P-001" (solid, remove dead copper, pour order 27): 160,2086 160,2066 149,2055 81,2055 66,2040 66,1990 76,1980 220,1980 230,1990 230,2038 213,2055 182,2055 171,2066 171,2086
NetBuck_12V_6 on Top Layer "NONET_L-01_P-001" (solid, remove dead copper, pour order 26): 70,2061 100,2061 100,2099 142,2099 142,2070 153,2070 153,2123 70,2123
NetBuck_12V_7 on Top Layer "NONET_L-01_P-001" (solid, remove dead copper, pour order 25): 245,2123 245,2107 173,2107 171,2105 171,2086 160,2086 160,2119 164,2123
AGND on Top Layer "NONET_L-01_P-001" (solid, remove dead copper, pour order 23): 177,2101 177,2070 244,2070 244,1982 396,1982 396,2101
AGND on Top Layer "NONET_L-01_P-001" (solid, remove dead copper, pour order 17): 2140,1563.82 2140,1438.82 2585,1438.82 2585,1563.82
AGND on Top Layer "NONET_L-01_P-001" (solid, remove dead copper, pour order 16): 2140,1980 2140,1855 2585,1855 2585,1980
AGND on Top Layer "NONET_L-01_P-001" (solid, remove dead copper, pour order 15): 415,1563.82 415,1438.82 860,1438.82 860,1563.82
AGND on Top Layer "NONET_L-01_P-001" (solid, remove dead copper, pour order 14): 415,1980 415,1855 860,1855 860,1980
NetChassis_outA_1 on Top Layer "NONET_L-01_P-001" (solid, remove dead copper, pour order 13): -45,1230 255,1230 255,1195 495,1195 495,770 -45,770
VIN_ORing on Top Layer "NONET_L-01_P-001" (solid, remove dead copper, pour order 12): -95,1790 -95,1395 255,1395 255,1425 390,1425 390,1580 850,1580 850,1790
VCAP_Cin on Top Layer "NONET_L-01_P-001" (solid, remove dead copper, pour order 11): 2105,1845 2585,1845 2585,1635 2105,1635
VCAP_Cin on Top Layer "NONET_L-01_P-001" (solid, remove dead copper, pour order 10): 1955,2205 1955,2180 1825,2180 1825,1790 1935,1790 1935,1635 2115,1635 2115,2205
VCAP on Top Layer "NONET_L-01_P-001" (solid, remove dead copper, pour order 9): 1900,2575 1900,2405 1955,2405 1955,2375 2105,2375 2105,2575
NetChassis_in_2 on Top Layer "NONET_L-01_P-001" (solid, remove dead copper, pour order 8): 700,2575 700,2375 840,2375 840,2405 1220,2405 1220,2575 1005,2575 1005,2465 890,2465 890,2575
NetBuck_12V_1 on Top Layer "NONET_L-01_P-001" (solid, remove dead copper, pour order 7): 159,2129 159,2160 230,2160 230,2129
NetBuck_5V_1 on Top Layer "NONET_L-01_P-001" (solid, remove dead copper, pour order 6): 514,2602 545,2602 545,2530 514,2530
VIN on Top Layer "NONET_L-01_P-001" (solid, remove dead copper, pour order 5): 495,2285 495,2060 1105,2060 1105,2175 840,2175 840,2285
VIN on Top Layer "NONET_L-01_P-001" (solid, remove dead copper, pour order 4): 950,2095 950,2030 1025,2030 1025,2065 1105,2065 1105,2095
VIN_ORing on Top Layer "NONET_L-01_P-001" (solid, remove dead copper, pour order 3): 915,2020 1125,2020 1125,1895 1175,1895 1175,1790 915,1790
VIN_ORing on Top Layer "NONET_L-01_P-001" (solid, remove dead copper, pour order 2): 1175,1845 1175,1790 1065,1790 1065,1635 415,1635 415,1845
NetC35_2 on Top Layer "NONET_L-01_P-001" (solid, remove dead copper, pour order 1): 2065,1595 1745,1595 1745,1110 2090,1110 2090,1530 2065,1555
NetC34_2 on Top Layer "NONET_L-01_P-001" (solid, remove dead copper, pour order 0): 885,1595 1015,1595 1015,1550 1120,1550 1120,1590 1255,1590 1255,1110 885,1110 885,1550
SGND on Bottom Layer "NONET_L-01_P-001" (solid, remove dead copper, pour order 64): -100,3100 3100,3100 3100,-100 -100,-100
SGND on Bottom Layer "NONET_L-01_P-001" (solid, remove dead copper, pour order 46): 2580,1407 2691,1407 2691,1373 2580,1373
SGND on SIG "NONET_L-01_P-001" (solid, remove dead copper, pour order 65): -200,3200 3200,3200 3200,-100 3100,-100 -200,-100
5V on PWR (split plane): 616.18,2360 616.47,2358.54 617.3,2357.3 618.54,2356.47 620,2356.18 1318.42,2356.18 1487.3,2187.3 1488.54,2186.47 1490,2186.18 2648.42,2186.18 2816.18,2018.42 2816.18,1741.58 2727.3,1652.7 2726.47,1651.46 2726.18,1650 2726.18,1390 2726.18,671.58 2598.42,543.82 2461.58,543.82 2402.7,602.7 2401.46,603.53 2400,603.82 1590,603.82 1588.54,603.53 1587.3,602.7 1586.47,601.46 1586.18,600 1586.18,590 1586.18,303.82 1553.82,303.82 1553.82,600 1553.53,601.46 1552.7,602.7 1551.46,603.53 1550,603.82 1510,603.82 1508.54,603.53 1507.3,602.7 1488.42,583.82 820,583.82 818.54,583.53 817.3,582.7 517.3,282.7 516.47,281.46 516.18,280 516.18,203.82 423.82,203.82 423.82,358.42 811.58,746.18 1448.42,746.18 1547.3,647.3 1548.54,646.47 1550,646.18 2570,646.18 2571.46,646.47 2572.7,647.3 2632.7,707.3 2633.53,708.54 2633.82,710 2633.82,1980 2633.53,1981.46 2632.7,1982.7 2602.7,2012.7 2601.46,2013.53 2600,2013.82 2493.82,2013.82 2493.82,2090 2493.53,2091.46 2492.7,2092.7 2491.46,2093.53 2490,2093.82 2410,2093.82 2408.54,2093.53 2407.3,2092.7 2406.47,2091.46 2406.18,2090 2406.18,2013.82 1733.82,2013.82 1733.82,2060 1733.53,2061.46 1732.7,2062.7 1731.46,2063.53 1730,2063.82 1620,2063.82 1618.54,2063.53 1617.3,2062.7 1616.47,2061.46 1616.18,2060 1616.18,2013.82 1271.58,2013.82 1162.7,2122.7 1002.7,2282.7 1001.46,2283.53 1000,2283.82 183.82,2283.82 183.82,2596.18 616.18,2596.18
3V3 on PWR (split plane): 200,2979.9 2800,2979.9 2800.71,2979.97 2811.77,2979.61 2823.49,2978.46 2835.12,2976.54 2846.59,2973.86 2857.86,2970.44 2868.88,2966.29 2879.61,2961.43 2890,2955.88 2900,2949.66 2909.57,2942.8 2918.68,2935.33 2927.28,2927.28 2935.33,2918.68 2942.8,2909.57 2949.66,2900 2955.88,2890 2961.43,2879.61 2966.29,2868.88 2970.44,2857.86 2973.86,2846.59 2976.54,2835.12 2978.46,2823.49 2979.61,2811.77 2979.97,2800.71 2979.9,2800 2979.9,200 2979.97,199.29 2979.61,188.23 2978.46,176.51 2976.54,164.88 2973.86,153.41 2970.44,142.14 2966.29,131.12 2961.43,120.39 2955.88,110 2949.66,100 2942.8,90.43 2935.33,81.32 2927.28,72.72 2918.68,64.67 2909.57,57.2 2900,50.34 2890,44.12 2879.61,38.57 2868.88,33.71 2857.86,29.56 2846.59,26.14 2835.12,23.46 2823.49,21.54 2811.77,20.39 2800.71,20.03 2800,20.1 200,20.1 199.29,20.03 188.23,20.39 176.51,21.54 164.88,23.46 153.41,26.14 142.14,29.56 131.12,33.71 120.39,38.57 110,44.12 100,50.34 90.43,57.2 81.32,64.67 72.72,72.72 64.67,81.32 57.2,90.43 50.34,100 44.12,110 38.57,120.39 33.71,131.12 29.56,142.14 26.14,153.41 23.46,164.88 21.54,176.51 20.39,188.23 20.03,199.29 20.1,200 20.1,2800 20.03,2800.71 20.39,2811.77 21.54,2823.49 23.46,2835.12 26.14,2846.59 29.56,2857.86 33.7,2868.88 38.57,2879.61 44.12,2890 50.34,2900 57.2,2909.57 64.67,2918.68 72.72,2927.28 81.32,2935.33 90.42,2942.8 100,2949.66 110,2955.88 120.39,2961.43 131.12,2966.29 142.14,2970.44 153.41,2973.86 164.88,2976.54 176.51,2978.46 188.23,2979.61 199.29,2979.97
3V3_R on PWR (split plane): 706.18,2590 706.18,2450 706.47,2448.54 707.3,2447.3 708.54,2446.47 710,2446.18 1210,2446.18 1211.46,2446.47 1212.7,2447.3 1213.53,2448.54 1213.82,2450 1213.82,2506.18 1738.42,2506.18 1856.18,2388.42 1856.18,2193.82 1491.58,2193.82 1322.7,2362.7 1321.46,2363.53 1320,2363.82 623.82,2363.82 623.82,2600 623.53,2601.46 622.7,2602.7 621.46,2603.53 620,2603.82 180,2603.82 178.54,2603.53 177.3,2602.7 176.47,2601.46 176.18,2600 176.18,2280 176.47,2278.54 177.3,2277.3 178.54,2276.47 180,2276.18 998.42,2276.18 1157.3,2117.3 1260.77,2013.82 1141.58,2013.82 962.7,2192.7 961.46,2193.53 960,2193.82 251.58,2193.82 212.7,2232.7 211.46,2233.53 210,2233.82 170,2233.82 168.54,2233.53 167.3,2232.7 166.47,2231.46 166.18,2230 166.18,2190 166.47,2188.54 167.3,2187.3 246.18,2108.42 246.18,1460 246.47,1458.54 247.3,1457.3 550.77,1153.82 431.58,1153.82 123.82,1461.58 123.82,2190 123.82,2240 123.82,2636.18 706.18,2636.18
12V on PWR (split plane): 247.3,2187.3 386.18,2048.42 386.18,1460 386.47,1458.54 387.3,1457.3 647.3,1197.3 648.54,1196.47 650,1196.18 2370,1196.18 2371.46,1196.47 2372.7,1197.3 2373.53,1198.54 2373.82,1200 2373.82,1396.18 2416.18,1396.18 2416.18,1153.82 561.58,1153.82 253.82,1461.58 253.82,2110 253.53,2111.46 252.7,2112.7 173.82,2191.58 173.82,2226.18 208.42,2226.18
NetC34_2 on PWR (split plane): 1076.18,1203.82 693.82,1203.82 693.82,1366.18 1076.18,1366.18
NetC61_2 on PWR (split plane): 2606.18,350 2606.47,348.54 2607.3,347.3 2608.54,346.47 2610,346.18 2646.18,346.18 2646.18,303.82 2333.82,303.82 2333.82,346.18 2370,346.18 2371.46,346.47 2372.7,347.3 2373.53,348.54 2373.82,350 2373.82,386.18 2606.18,386.18
VIN_ORing on PWR (split plane): 1056.18,1643.82 443.82,1643.82 443.82,1766.18 890,1766.18 891.46,1766.47 892.7,1767.3 893.53,1768.54 893.82,1770 893.82,2006.18 1056.18,2006.18
NetORing_5 on PWR (split plane): 1130.77,2013.82 890,2013.82 888.54,2013.53 887.3,2012.7 886.47,2011.46 886.18,2010 886.18,1773.82 393.82,1773.82 393.82,2050 393.53,2051.46 392.7,2052.7 259.23,2186.18 958.42,2186.18
NetChassis_in_2 on PWR (split plane): 1206.18,2453.82 713.82,2453.82 713.82,2586.18 1206.18,2586.18
AGND on GNDA (split plane): 183 vertices, not listed, extent 20.03,20.03 2979.97,2979.97
NetChassis_outA_1 on GNDA (split plane): 476.18,770 476.47,768.54 477.3,767.3 478.54,766.47 480,766.18 1010,766.18 1011.46,766.47 1012.7,767.3 1013.53,768.54 1013.82,770 1013.82,971.18 1166.18,971.18 1166.18,770 1166.47,768.54 1167.3,767.3 1168.54,766.47 1170,766.18 1520,766.18 1521.46,766.47 1522.7,767.3 1523.53,768.54 1523.82,770 1523.82,971.18 1676.18,971.18 1676.18,770 1676.47,768.54 1677.3,767.3 1678.54,766.47 1680,766.18 2030,766.18 2031.46,766.47 2032.7,767.3 2033.53,768.54 2033.82,770 2033.82,971.18 2186.18,971.18 2186.18,770 2186.47,768.54 2187.3,767.3 2188.54,766.47 2190,766.18 2540,766.18 2541.46,766.47 2542.7,767.3 2543.53,768.54 2543.82,770 2543.82,971.18 2696.18,971.18 2696.18,553.82 20.1,553.82 20.1,1096.18 476.18,1096.18
SGND on GNDB (split plane): 200,2979.9 2800,2979.9 2800.71,2979.97 2811.77,2979.61 2823.49,2978.46 2835.12,2976.54 2846.59,2973.86 2857.86,2970.44 2868.88,2966.29 2879.61,2961.43 2890,2955.88 2900,2949.66 2909.57,2942.8 2918.68,2935.33 2927.28,2927.28 2935.33,2918.68 2942.8,2909.57 2949.66,2900 2955.88,2890 2961.43,2879.61 2966.29,2868.88 2970.44,2857.86 2973.86,2846.59 2976.54,2835.12 2978.46,2823.49 2979.61,2811.77 2979.97,2800.71 2979.9,2800 2979.9,200 2979.97,199.29 2979.61,188.23 2978.46,176.51 2976.54,164.88 2973.86,153.41 2970.44,142.14 2966.29,131.12 2961.43,120.39 2955.88,110 2949.66,100 2942.8,90.43 2935.33,81.32 2927.28,72.72 2918.68,64.67 2909.57,57.2 2900,50.34 2890,44.12 2879.61,38.57 2868.88,33.71 2857.86,29.56 2846.59,26.14 2835.12,23.46 2823.49,21.54 2811.77,20.39 2800.71,20.03 2800,20.1 200,20.1 199.29,20.03 188.23,20.39 176.51,21.54 164.88,23.46 153.41,26.14 142.14,29.56 131.12,33.71 120.39,38.57 110,44.12 100,50.34 90.43,57.2 81.32,64.67 72.72,72.72 64.67,81.32 57.2,90.43 50.34,100 44.12,110 38.57,120.39 33.71,131.12 29.56,142.14 26.14,153.41 23.46,164.88 21.54,176.51 20.39,188.23 20.03,199.29 20.1,200 20.1,2800 20.03,2800.71 20.39,2811.77 21.54,2823.49 23.46,2835.12 26.14,2846.59 29.56,2857.86 33.7,2868.88 38.57,2879.61 44.12,2890 50.34,2900 57.2,2909.57 64.67,2918.68 72.72,2927.28 81.32,2935.33 90.42,2942.8 100,2949.66 110,2955.88 120.39,2961.43 131.12,2966.29 142.14,2970.44 153.41,2973.86 164.88,2976.54 176.51,2978.46 188.23,2979.61 199.29,2979.97

## Keep-outs
Keep-Out Layer:
  the board outline again, w7.5

## Other copper
Top Layer:
  pour cut-out: 2110,2210 1945,2210 1945,2370 2110,2370
  pour cut-out: 695,2370 695,2285 855,2285 855,2370
GNDA (plane layer: these items are gaps in the copper):
  lines w7.5: 0,550 2700,550 2700,975 2540,975 2540,770 2190,770 2190,975 2030,975 2030,770 1680,770 1680,975 1520,975 1520,770 1170,770 1170,975 1010,975 1010,770 480,770 480,1100 0,1100 0,550
PWR (plane layer: these items are gaps in the copper):
  lines w7.5: 390,1770 440,1770 ; 580,1150 430,1150 120,1460 120,2190 120,2240 120,2640 710,2640 710,2590 ; 690,1200 690,1370 1080,1370 1080,1200 1090,1200 ; 1210,2510 1740,2510 1860,2390 1860,2190 ; 210,2230 250,2190 960,2190 1140,2010 ; 210,2230 170,2230 170,2190 250,2110 250,1460 560,1150 2420,1150 2420,1400 2370,1400 2370,1200 650,1200 390,1460 390,2050 210,2230 ; 440,1770 450,1770 890,1770 890,2010 1060,2010 ; 440,1770 440,1640 1060,1640 1060,2010 ; 710,2590 710,2450 1210,2450 1210,2590 710,2590 ; 1060,2010 1140,2010 ; 1140,2010 1270,2010 ; 1270,2010 1620,2010 1620,2060 1730,2060 1730,2010 2410,2010 2410,2090 2490,2090 2490,2010 2600,2010 2630,1980 2630,710 2570,650 1550,650 1450,750 810,750 420,360 420,200 520,200 520,280 820,580 1490,580 1510,600 1550,600 1550,300 1590,300 1590,590 1590,600 2400,600 2460,540 2600,540 2730,670 2730,1390 2730,1650 2820,1740 2820,2020 2650,2190 1490,2190 1320,2360 620,2360 620,2600 180,2600 180,2280 1000,2280 1160,2120 1270,2010 ; 2330,300 2330,350 2370,350 2370,390 2610,390 2610,350 2650,350 2650,300 2330,300

## Silkscreen, mask and mechanical layers (free items; w line width, h text height)
Top Overlay:
  text "V1.0" at 2500,2852.25 h100
  text "By Sirius_P" at 129.69,750.07 h80 r90
Bottom Overlay:
  drawing of 187 lines, arcs and shapes, not listed

## Text inside footprints (layer, text, board x,y; h text height)
Chassis_outA: Top Overlay "-" at 660,947 h30; Bottom Overlay "+" at 287.89,760.76 h20; Bottom Overlay "-" at 680,947 h30
Chassis_outB: Top Overlay "-" at 810,793 h30 r180; Bottom Overlay "+" at 1182.11,979.24 h20 r180; Bottom Overlay "-" at 790,793 h30 r180
Chassis_outC: Top Overlay "-" at 1320,793 h30 r180; Bottom Overlay "+" at 1692.11,979.24 h20 r180; Bottom Overlay "-" at 1300,793 h30 r180
Chassis_outD: Top Overlay "-" at 1830,793 h30 r180; Bottom Overlay "+" at 2202.11,979.24 h20 r180; Bottom Overlay "-" at 1810,793 h30 r180
Chassis_outE: Top Overlay "-" at 2340,793 h30 r180; Bottom Overlay "+" at 2712.11,979.24 h20 r180; Bottom Overlay "-" at 2320,793 h30 r180